# Altium PCB UD3.1.PcbDoc (part 2 of 2) (continued)
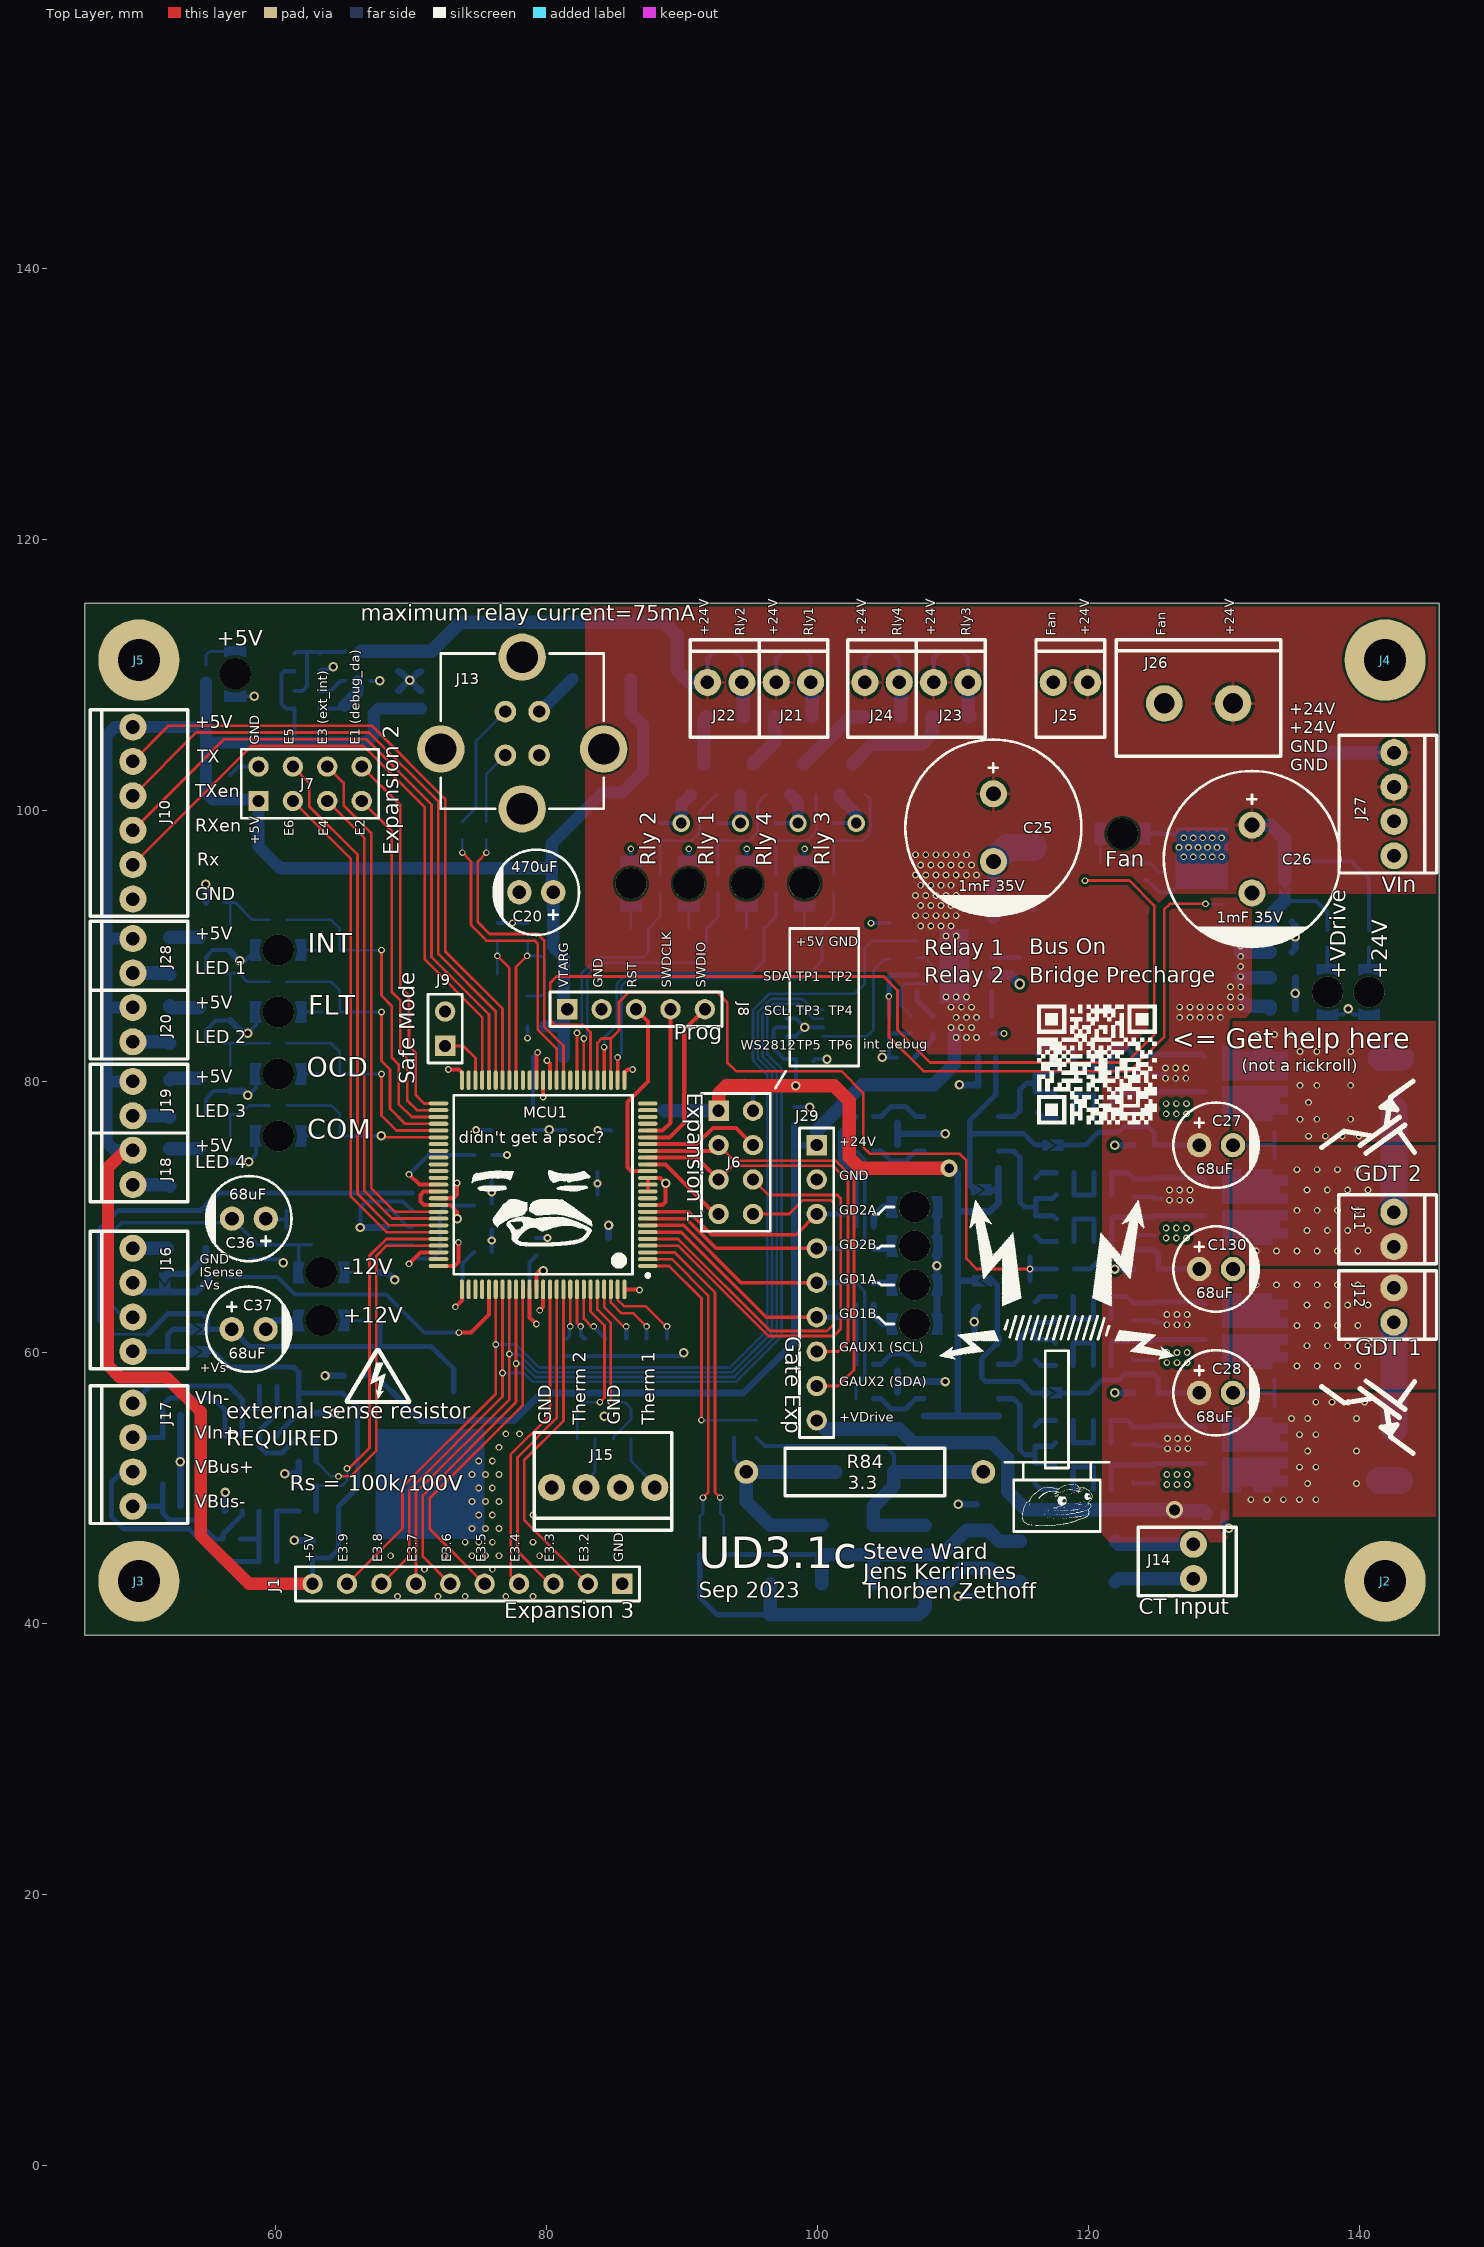
[diagram p0: Top Layer view]
## Nets (pads, with @x,y where several pads share a name; then routed paths per layer and width w, separated by ;. In a path a pad name is that pad's centre, name@x,y a point inside that pad or via, vN(x,y) a via of type N, cw(c..) or ccw(c..) an arc to the next point about the centre after c; other vN are vias at no path point) (continued)
NetC124_1: C124.1 R171.2 R173.2 R174.1 | length 4.8
  Bottom Layer w0.381: R173.2@118.887,54.991 R171.2@118.887,53.34 C124.1@120.381,53.34 R174.1@120.381,54.991
NetC124_2: C124.2 D70.2 Q16.4 R174.2 R178.1 | length 14.4
  Bottom Layer w0.381: R174.2@121.681,54.991 122.839,54.991 R178.1@123.317,54.513 124.768,54.513 D70.2@124.841,54.586 ; R174.2@121.681,54.991 C124.2@121.681,53.34 R174.2@121.681,54.991 ; D70.2@124.841,54.586 Q16.4@128.393,54.586 ; D70.2@124.841,54.586 Q16.4@128.393,54.586 ; Q16.4@128.393,54.586 Q16.4@128.623,54.356 Q16.4@128.393,54.586
NetC125_1: C125.1 R172.2 R175.1 R176.2 | length 4.8
  Bottom Layer w0.381: R176.2@118.887,64.135 R172.2@118.887,62.484 R175.1@120.381,62.484 C125.1@120.381,64.135
NetC125_2: C125.2 D71.2 Q17.4 R175.2 R177.1 | length 8.9
  Bottom Layer w0.381: R175.2@121.681,62.484 C125.2@121.681,64.135 122.839,64.135 R177.1@123.317,63.657 124.768,63.657 D71.2@124.841,63.73 128.393,63.73 Q17.4@128.623,63.5
NetC134_1: C134.1 Reg1.6 | length 2.2
  Bottom Layer w0.3: C134.1@63.245,108.854 64.053,108.854 64.786,109.587 Reg1.6@65.106,109.587
NetC134_2: C134.2 L3.1 Reg1.5 | length 4.2
  Bottom Layer w0.3: C134.2@63.245,107.554 64.882,107.554 L3.1@65.076,107.748
  Bottom Layer w0.9: L3.1@65.076,107.748 66.056,108.728 Reg1.5@66.056,109.587
NetC135_2: C135.2 R2.2 R6.1 Reg1.1 | length 7.4
  Bottom Layer w0.3: C135.2@61.409,108.854 61.991,108.854 62.327,109.19 62.327,111.723 ; R6.1@61.409,111.596 61.536,111.723 62.327,111.723 ; R2.2@63.245,111.596 63.372,111.723 65.044,111.723 Reg1.1@65.106,111.785 ; R2.2@63.245,111.723 62.327,111.723
NetD1_1: D1.1 R3.2 | length 1.6
  Bottom Layer w0.3: D1.1@140.716,88.264 R3.2@140.716,89.901
NetD2_1: D2.1 R4.2 | length 1.6
  Bottom Layer w0.3: D2.1@137.668,88.264 R4.2@137.668,89.901
NetD3_1: D3.1 R5.2 | length 1.4
  Bottom Layer w0.2: D3.1@65.023,62.357 R5.2@66.406,62.357
NetD4_1: D4.1 R7.2 | length 1.4
  Bottom Layer w0.2: D4.1@65.023,65.913 R7.2@66.406,65.913
NetD5_1: D5.1 R8.2 | length 3
  Bottom Layer w0.2: R8.2@54.864,110.759 54.864,111.505 55.118,111.759 D5.1@57.023,111.759
NetD34_2: D34.1 D35.1 D36.1 R84.1 R85.2 | length 26.9
  Bottom Layer w0.3: R85.2@95.504,53.706 96.124,53.086 105.02,53.086 105.655,52.451 D36.1@105.655,51.181
  Bottom Layer w1: D35.1@107.95,47.244 D34.1@104.14,47.244 104.14,48.641 105.655,50.156 D36.1@105.655,51.181 112.252,51.181 R84.1@112.255,51.184
NetD37_1: D37.2 J13.1 | length 3.5
  Bottom Layer w0.9: J13.1@79.462,107.315 79.511,107.315 D37.2@81.924,109.728
NetD43_1: D43.1 R101.2 | length 1.6
  Bottom Layer w0.2: R101.2@90.509,91.321 D43.1@90.509,92.965
NetD44_1: D44.1 R102.2 | length 1.2
  Bottom Layer w0.2: R102.2@86.233,91.321 86.233,92.565
NetD45_1: D45.1 R103.2 | length 1.7
  Bottom Layer w0.2: R103.2@99.041,91.321 99.041,92.946 D45.1@99.06,92.965
NetD46_1: D46.1 R104.2 | length 1.7
  Bottom Layer w0.2: R104.2@94.765,91.321 94.765,92.946 D46.1@94.784,92.965
NetD47_1: D47.1 R105.2 | length 2.3
  Bottom Layer w0.2: R105.2@120.885,96.142 120.885,97.548 121.036,97.699 121.036,98.199 120.936,98.299 D47.1@120.886,98.299
NetD48_1: D48.1 R106.2 | length 1.6
  Bottom Layer w0.2: D48.1@61.848,89.71 R106.2@63.443,89.71
NetD49_1: D49.1 R110.2 | length 1.6
  Bottom Layer w0.2: D49.1@61.848,85.138 R110.2@63.443,85.138
NetD50_1: D50.1 R120.2 | length 1.6
  Bottom Layer w0.2: D50.1@61.848,80.566 R120.2@63.443,80.566
NetD51_1: D51.1 R128.2 | length 1.6
  Bottom Layer w0.2: D51.1@61.848,75.994 R128.2@63.443,75.994
NetD52_1: D52.1 R131.2 | length 1.4
  Bottom Layer w0.5: R131.2@104.155,67.691 105.361,67.691 D52.1@105.53,67.86
NetD53_1: D53.1 R132.2 | length 2.4
  Bottom Layer w0.5: R132.2@104.155,69.342 104.155,70.051 104.843,70.739 D53.1@105.53,70.739
NetD56_1: D56.2 R139.1 | length 1.5
  Bottom Layer w0.381: D56.2@116.253,77.748 116.658,77.343 R139.1@117.635,77.343
NetD57_1: D57.2 R136.1 | length 1.7
  Bottom Layer w0.381: D57.2@116.126,68.604 116.531,68.199 R136.1@117.635,68.199
NetD58_2: D58.1 R148.1 | length 1.5
  Bottom Layer w0.381: D58.1@116.253,82.018 116.658,82.423 R148.1@117.635,82.423
NetD59_2: D59.1 R151.1 | length 1.7
  Bottom Layer w0.381: D59.1@116.126,72.874 116.531,73.279 R151.1@117.635,73.279
NetD62_1: D62.1 R156.2 | length 2.4
  Bottom Layer w0.5: R156.2@104.155,63.5 104.155,62.791 104.843,62.103 D62.1@105.53,62.103
NetD63_1: D63.1 R157.2 | length 1.4
  Bottom Layer w0.5: R157.2@104.155,65.151 105.361,65.151 D63.1@105.53,64.982
NetD66_1: D66.2 R164.1 | length 1.7
  Bottom Layer w0.381: D66.2@116.078,50.316 116.483,49.911 R164.1@117.587,49.911
NetD67_1: D67.2 R161.1 | length 1.7
  Bottom Layer w0.381: D67.2@116.078,59.46 116.483,59.055 R161.1@117.587,59.055
NetD68_2: D68.1 R173.1 | length 1.7
  Bottom Layer w0.381: D68.1@116.078,54.586 116.483,54.991 R173.1@117.587,54.991
NetD69_2: D69.1 R176.1 | length 1.7
  Bottom Layer w0.381: D69.1@116.078,63.73 116.483,64.135 R176.1@117.587,64.135
NetIC1_8: IC1.8 R10.1 | length 9.8
  Bottom Layer w0.2: IC1.8@100.41,83.353 103.673,83.353 104.14,83.82 104.14,88.232 104.949,89.041 R10.1@105.283,89.041
NetIC7_2: IC7.2 R138.2 R144.2 | length 4.3
  Bottom Layer w0.381: R144.2@104.155,74.879 104.699,74.879 105.453,74.125 105.918,74.125 106.51,74.125 107.264,74.879 IC7.2@107.867,74.879
NetIC7_4: IC7.4 R137.2 R143.2 | length 4.3
  Bottom Layer w0.381: R143.2@104.155,77.419 104.699,77.419 105.453,78.172 105.918,78.172 106.51,78.172 107.264,77.419 IC7.4@107.867,77.419
NetIC8_2: IC8.2 R163.2 R169.2 | length 4.3
  Bottom Layer w0.381: R169.2@104.155,56.591 104.699,56.591 105.453,55.837 R163.2@105.918,55.837 106.51,55.837 107.264,56.591 IC8.2@107.867,56.591
NetIC8_4: IC8.4 R162.2 R168.2 | length 4.3
  Bottom Layer w0.381: R168.2@104.155,59.131 104.699,59.131 105.453,59.884 105.918,59.884 106.51,59.884 107.264,59.131 IC8.4@107.867,59.131
NetJ8_3: J8.3 MCU1.15 | length 14.3
  Top Layer w0.3: J8.3@86.614,85.344 87.503,84.455 87.503,80.01 85.979,78.486 85.979,73.66 86.249,73.39 MCU1.15@87.481,73.39
NetJ8_4: J8.4 MCU1.21 | length 10.3
  Top Layer w0.3: MCU1.21@87.481,76.39 88.582,76.39 89.154,76.962 J8.4@89.154,85.344
NetJ8_5: J8.5 MCU1.20 | length 12.1
  Top Layer w0.3: MCU1.20@87.481,75.89 89.098,75.89 90.17,76.962 90.17,83.82 J8.5@91.694,85.344
NetJ13_2: J13.2 R95.2 | length 9.4
  Bottom Layer w0.2: R95.2@73.787,99.202 74.803,100.218 74.803,105.156 J13.2@76.962,107.315
NetJ13_3: J13.3 R94.2 | length 5.5
  Bottom Layer w0.2: R94.2@75.565,99.187 75.565,102.698 J13.3@76.962,104.095
NetJ16_1: J16.1 Jp10.1 Jp11.1 | length 7.5
  Bottom Layer w0.381: J16.1@49.467,60.08 49.476,60.071 52.045,60.071 ; Jp10.1@53.787,60.071 52.045,60.071 ; Jp11.1@53.787,61.722 52.426,61.722 52.045,61.341 52.045,60.071
NetJ16_3: J16.3 Jp16.2 R83.2 | length 6.4
  Bottom Layer w0.5: J16.3@49.467,65.16 50.148,64.479 Jp16.2@51.816,64.479 54.143,64.479 55.103,65.439 R83.2@55.103,65.564
NetJp16_1: Jp16.1 R82.2 | length 4.2
  Bottom Layer w0.5: Jp16.1@51.816,65.673 51.966,65.823 53.591,65.823 54.856,67.088 R82.2@54.856,67.7
NetMCU1_92: MCU1.92 R184.1 | length 3.8
  Top Layer w0.2: v3(81.756,61.933) MCU1.92@81.756,64.665
  Bottom Layer w0.3: R184.1@81.374,61.051 81.499,61.051 81.699,61.251 81.699,61.824 81.756,61.881 v3(81.756,61.933)
NetMCU1_93: MCU1.93 R183.1 | length 3.9
  Top Layer w0.2: MCU1.93@82.256,64.665 82.256,62.201 v3(82.525,61.933)
  Bottom Layer w0.3: v3(82.525,61.933) 82.554,61.903 82.554,61.251 82.754,61.051 R183.1@82.879,61.051
NetMCU1_94: MCU1.94 R182.1 | length 4.4
  Top Layer w0.2: MCU1.94@82.756,64.665 82.756,62.502 83.325,61.933 v3(83.49,61.933)
  Bottom Layer w0.3: v3(83.49,61.933) 83.526,61.896 R182.1@84.371,61.051
NetMCU1_97: MCU1.97 R181.1 | length 4.2
  Top Layer w0.2: MCU1.97@84.256,64.665 84.256,63.361 85.684,61.933 v3(85.889,61.933)
  Bottom Layer w0.3: R181.1@85.889,61.051 v3@85.889,61.73
NetMCU1_98: MCU1.98 R180.1 | length 5
  Top Layer w0.2: MCU1.98@84.756,64.665 84.756,63.682 85.547,62.89 86.437,62.89 v3(87.395,61.933)
  Bottom Layer w0.3: R180.1@87.395,61.051 v3@87.395,61.73
NetMCU1_99: MCU1.99 R179.1 | length 6.1
  Top Layer w0.2: MCU1.99@85.256,64.665 85.256,63.893 85.725,63.424 87.325,63.424 v3@88.9,61.849
  Bottom Layer w0.3: R179.1@88.9,61.051 88.9,61.849 v3(88.9,61.933)
NetQ5_D: Q5.3 R97.2 | length 2.2
  Bottom Layer w1: R97.2@52.188,90.665 54.351,90.665 Q5.3@54.356,90.66
NetQ5_G: Q5.1 R99.2 R100.2 | length 5.5
  Bottom Layer w0.2: R99.2@56.156,93.218 56.656,93.218 ; Q5.1@56.656,91.61 56.656,93.218 ; R100.2@59.548,91.948 58.293,91.948 57.023,93.218 56.656,93.218
NetQ6_G: Q6.4 R96.2 R98.2 | length 3.6
  Bottom Layer w0.2: R98.2@122.536,96.142 R96.2@124.187,96.142 124.574,96.142 125.262,95.454 Q6.4@125.857,95.454
NetQ7_D: Q7.3 R107.2 | length 2.2
  Bottom Layer w1: R107.2@52.188,85.585 52.318,85.455 Q7.3@54.356,85.455
NetQ7_G: Q7.1 R108.2 R109.2 | length 5.3
  Bottom Layer w0.2: R108.2@56.156,88.011 56.717,88.011 ; Q7.1@56.656,86.405 56.656,87.95 56.717,88.011 ; R109.2@59.548,87.376 57.912,87.376 57.277,88.011 56.717,88.011
NetQ8_D: Q8.3 R115.2 | length 2.2
  Bottom Layer w1: R115.2@52.188,80.124 52.313,80.249 Q8.3@54.356,80.249
NetQ8_G: Q8.1 R118.2 R119.2 | length 5
  Bottom Layer w0.2: R118.2@56.156,82.835 56.656,82.835 ; Q8.1@56.656,81.199 56.656,82.835 ; R119.2@59.548,82.835 56.656,82.835
NetQ9_D: Q9.3 R116.1 | length 8
  Bottom Layer w1: Q9.3@102.604,103.484 104.022,104.902 107.696,104.902 108.48,105.686 R116.1@108.48,106.934
NetQ9_G: Q9.1 R111.2 R113.2 | length 8.4
  Bottom Layer w0.2: R113.2@101.219,95.272 R111.2@101.219,97.783 103.323,97.783 103.886,98.346 103.886,100.852 Q9.1@103.554,101.184
NetQ10_D: Q10.3 R117.1 | length 5.9
  Bottom Layer w1: Q10.3@98.943,103.484 99.039,103.484 102.489,106.934 R117.1@103.4,106.934
NetQ10_G: Q10.1 R112.2 R114.2 | length 8.5
  Bottom Layer w0.2: R114.2@96.943,95.265 R112.2@96.943,97.783 99.252,97.783 99.893,98.424 Q10.1@99.893,101.169
NetQ11_D: Q11.3 R121.2 | length 2.2
  Bottom Layer w1: R121.2@52.188,75.044 Q11.3@54.356,75.044
NetQ11_G: Q11.1 R126.2 R127.2 | length 5.3
  Bottom Layer w0.2: R126.2@56.156,77.597 56.78,77.597 ; Q11.1@56.656,75.994 56.656,77.473 56.78,77.597 ; R127.2@59.548,78.232 58.039,78.232 57.404,77.597 56.78,77.597
NetQ12_D: Q12.3 R129.1 | length 4.1
  Bottom Layer w1: Q12.3@95.267,103.484 96.86,105.077 R129.1@96.86,106.934
NetQ12_G: Q12.1 R122.2 R124.2 | length 8.7
  Bottom Layer w0.2: R124.2@92.668,95.265 R122.2@92.668,97.783 94.977,97.783 95.584,98.391 95.584,100.551 Q12.1@96.217,101.184
NetQ13_D: Q13.3 R130.1 | length 3.5
  Bottom Layer w1: Q13.3@91.606,103.484 91.606,106.76 R130.1@91.78,106.934
NetQ13_G: Q13.1 R123.2 R125.2 | length 9
  Bottom Layer w0.2: R125.2@88.392,95.273 R123.2@88.392,97.783 90.701,97.783 91.309,98.391 91.309,99.937 Q13.1@92.556,101.184
NetR11_2: R11.2 Reg2.4 | length 1.8
  Bottom Layer w0.381: R11.2@112.86,84.851 Reg2.4@112.86,86.614
NetR12_2: R12.2 Reg2.5 | length 2.2
  Bottom Layer w0.381: Reg2.5@107.36,86.614 107.36,86.026 R12.2@108.535,84.851
Relay1: MCU1.32 R101.1 R124.1 | length 22.1
  Top Layer w0.2: MCU1.32@82.756,80.115 v3(82.756,83.185)
  Bottom Layer w0.2: v3(82.756,83.185) 83.007,83.436 83.007,87.833 83.947,88.773 91.004,88.773 91.809,89.578 R101.1@91.809,91.321 ; R101.1@91.809,91.313 92.668,92.172 R124.1@92.668,93.965
"Relay1 Out": D39.2 J21.2 R129.2 | length 5.1
  Bottom Layer w0.3: D39.2@99.036,111.76 99.086,111.76 99.505,111.341 J21.2@99.505,109.474
  Bottom Layer w1: J21.2@99.505,109.474 99.61,109.369 R129.2@99.61,106.934
Relay2: MCU1.33 R102.1 R125.1 | length 18.4
  Top Layer w0.2: MCU1.33@82.256,80.115 v3(82.256,83.599)
  Bottom Layer w0.2: v3(82.256,83.599) 82.601,83.944 82.601,88.002 83.779,89.179 87.134,89.179 87.533,89.578 R102.1@87.533,91.321 88.392,92.18 R125.1@88.392,93.973
"Relay2 Out": D40.2 J22.2 R130.2 | length 5.1
  Bottom Layer w0.3: D40.2@93.841,111.76 93.891,111.76 94.425,111.226 J22.2@94.425,109.474
  Bottom Layer w1: J22.2@94.425,109.474 94.53,109.369 R130.2@94.53,106.934
Relay3: MCU1.27 R103.1 R113.1 | length 28.1
  Top Layer w0.25: MCU1.27@85.256,80.115 v3@85.256,81.749
  Top Layer w0.381: v3@85.217,81.788 v3@85.256,81.749
  Bottom Layer w0.2: v3(85.256,81.788) 85.547,82.079 85.547,87.071 86.106,87.63 95.303,87.63 99.071,87.63 100.341,88.9 R103.1@100.341,91.321 ; R103.1@100.36,91.32 101.219,92.179 R113.1@101.219,93.972
"Relay3 Out": D41.2 J23.2 R116.2 | length 5.1
  Bottom Layer w0.3: D41.2@110.605,111.76 110.655,111.76 111.125,111.29 J23.2@111.125,109.474
  Bottom Layer w1: J23.2@111.125,109.474 111.125,107.039 R116.2@111.23,106.934
Relay4: MCU1.29 R104.1 R114.1 | length 24.5
  Top Layer w0.25: MCU1.29@84.256,80.115 v3(84.256,82.55)
  Bottom Layer w0.2: v3(84.256,82.55) 84.256,83.24 85.195,84.179 85.195,87.217 85.242,87.265 85.242,87.274 85.95,87.982 95.148,87.982 96.065,88.9 R104.1@96.065,91.321 ; R104.1@96.084,91.313 96.943,92.172 R114.1@96.943,93.965
"Relay4 Out": D42.2 J24.2 R117.2 | length 5.2
  Bottom Layer w0.3: D42.2@105.398,111.76 105.448,111.76 106.045,111.163 J24.2@106.045,109.474
  Bottom Layer w1: J24.2@106.045,109.474 106.15,109.369 R117.2@106.15,106.934
RX: J10.2 MCU1.47 | length 48.9
  Top Layer w0.2: J10.2@49.467,96.021 50.755,97.309 56.388,102.942 58.221,104.775 66.494,104.775 71.017,100.252 71.017,89.003 75.256,84.764 MCU1.47@75.256,80.115
RXen: J10.3 MCU1.46 | length 48.9
  Top Layer w0.2: J10.3@49.467,98.561 56.181,105.275 66.701,105.275 71.517,100.459 71.517,89.21 75.756,84.971 MCU1.46@75.756,80.115
therm1: C96.2 MCU1.96 R93.1 | length 13.2
  Top Layer w0.2: MCU1.96@83.756,64.665 83.756,63.176 84.756,62.176 v3(84.756,56.333)
  Bottom Layer w0.2: v3(84.756,56.333) 85.78,56.333 86.248,55.865 C96.2@86.248,55.29 86.248,55.069 84.948,53.769 R93.1@84.948,53.639
therm2: C89.2 MCU1.95 R89.1 | length 13
  Top Layer w0.2: MCU1.95@83.256,64.665 83.256,63.026 84.277,62.005 84.277,56.668 v3(83.942,56.333)
  Bottom Layer w0.2: R89.1@82.281,53.639 C89.2@82.281,55.29 82.281,55.865 82.749,56.333 v3(83.942,56.333)
TP2: J6.4 MCU1.19 | length 8.8
  Top Layer w0.3: MCU1.19@87.481,75.39 91.091,75.39 92.282,76.581 93.98,76.581 J6.4@95.25,75.311
TP4: J6.6 MCU1.4 | length 33.9
  Top Layer w0.2: MCU1.4@87.481,67.89 89.717,67.89 96.393,61.214 101.219,61.214 101.727,61.722 101.727,71.374 101.473,71.628 96.393,71.628 J6.6@95.25,72.771
TP5: J6.7 MCU1.16 | length 6.7
  Top Layer w0.3: MCU1.16@87.481,73.89 88.797,73.89 92.456,70.231 J6.7@92.71,70.231
TP6: J6.8 MCU1.5 | length 32.1
  Top Layer w0.2: MCU1.5@87.481,68.39 89.725,68.39 96.52,61.595 100.711,61.595 101.219,62.103 101.219,70.993 100.965,71.247 98.933,71.247 97.917,70.231 J6.8@95.25,70.231
TX: J10.5 MCU1.44 | length 48.9
  Top Layer w0.2: J10.5@49.467,103.641 52.101,106.275 67.115,106.275 72.517,100.873 72.517,89.624 76.756,85.385 MCU1.44@76.756,80.115
TXen: J10.4 MCU1.45 | length 48.9
  Top Layer w0.2: J10.4@49.467,101.101 54.141,105.775 66.908,105.775 72.017,100.666 72.017,89.417 76.256,85.178 MCU1.45@76.256,80.115
"USB D+": MCU1.35 R94.1 | length 22.7
  Top Layer w0.2: v3(75.565,96.901) 74.93,96.266 74.93,91.766 75.792,90.905 79.348,90.905 79.832,90.42 79.832,84.07 81.256,82.646 MCU1.35@81.256,80.115
  Bottom Layer w0.2: v3(75.565,96.901) R94.1@75.565,97.887
"USB D-": MCU1.36 R95.1 | length 22.8
  Top Layer w0.2: v3(73.787,96.901) 74.43,96.258 74.43,91.559 75.58,90.409 79.136,90.409 79.347,90.198 79.347,83.848 80.756,82.439 MCU1.36@80.756,80.115
  Bottom Layer w0.2: v3(73.787,96.901) R95.1@73.787,97.902
UVLO: C110.2 MCU1.28 MCU1.30 R154.1 R155.2 | length 61.9
  Top Layer w0.2: MCU1.30@83.756,80.115 83.756,82.867 84.074,83.185 84.756,83.185 ; MCU1.28@84.756,80.115 84.756,83.185 ; v3(115.697,66.167) 111.76,66.167 110.998,66.929 110.998,74.168 110.49,74.676 103.886,74.676 103.378,75.184 103.378,79.163 101.769,80.772 94.001,80.772 93.345,81.428 93.345,85.852 92.583,86.614 86.106,86.614 85.355,85.863 85.355,83.784 84.756,83.185
  Bottom Layer w0.381: C110.2@115.697,65.278 v3(115.697,66.167) ; R154.1@115.697,67.056 v3(115.697,66.167) ; R155.2@117.635,66.167 v3(115.697,66.167)
"VSense A": C86.2 MCU1.72 R87.2 | length 26.8
  Top Layer w0.2: v3(64.643,50.864) 65.541,50.864 67.437,52.76 67.437,67.146 68.181,67.89 MCU1.72@72.031,67.89
  Bottom Layer w0.2: C86.2@63.007,51.943 64.086,50.864 v3(64.643,50.864)
  Bottom Layer w0.381: C86.2@63.007,51.943 R87.2@63.007,53.813
"VSense B": C93.2 MCU1.71 R91.2 | length 27.3
  Top Layer w0.2: v3(65.278,51.435) 65.405,51.435 66.937,52.967 66.937,67.146 68.181,68.39 MCU1.71@72.031,68.39
  Bottom Layer w0.2: C93.2@63.007,50.165 64.897,50.165 65.278,50.546 v3(65.278,51.435)
  Bottom Layer w0.381: R91.2@63.007,48.283 C93.2@63.007,50.165
XI: C16.1 MCU1.43 X1.4 | length 12
  Top Layer w0.2: v3(76.37,89.281) 77.256,88.395 MCU1.43@77.256,80.115
  Bottom Layer w0.2: X1.4@76.37,87.922 v3(76.37,89.281) C16.1@76.37,90.409
XO: C18.1 MCU1.42 X1.2 | length 15.9
  Top Layer w0.2: MCU1.42@77.756,80.115 77.756,88.467 v3(78.57,89.281)
  Bottom Layer w0.2: X1.2@78.57,86.322 79.629,86.322 79.883,86.576 79.883,89.027 79.629,89.281 v3(78.57,89.281) 78.613,89.324 C18.1@78.613,90.409
ZCDA: C81.1 MCU1.3 R48.1 | length 24.5
  Top Layer w0.2: MCU1.3@87.481,67.39 89.472,67.39 92.44,64.422 92.44,49.673 v3(92.828,49.285)
  Bottom Layer w0.2: v3(92.828,49.285) 92.828,48.157 C81.1@92.852,48.133 93.091,47.894 R48.1@93.091,46.37
ZCDB: C81.2 MCU1.2 R47.1 | length 23.7
  Top Layer w0.2: MCU1.2@87.481,66.89 89.265,66.89 91.94,64.215 91.94,49.673 v3(91.552,49.285)
  Bottom Layer w0.2: R47.1@91.313,46.37 91.313,47.894 C81.2@91.552,48.133 v3(91.552,49.285)
"⎐ Fan Out": D38.2 J25.1 J26.1 Q6.5 Q6.6 Q6.7 Q6.8
"⎐ LED1 Out": J28.1 R97.1 | length 2.8
  Bottom Layer w1: J28.1@49.467,88.02 52.083,88.02 R97.1@52.188,87.915
"⎐ LED2 Out": J20.1 R107.1 | length 2.8
  Bottom Layer w1: J20.1@49.467,82.94 52.083,82.94 R107.1@52.188,82.835
"⎐ LED3 Out": J19.1 R115.1 | length 2.8
  Bottom Layer w1: J19.1@49.467,77.479 52.083,77.479 R115.1@52.188,77.374
"⎐ LED4 Out": J18.1 R121.1 | length 2.8
  Bottom Layer w1: J18.1@49.467,72.399 52.083,72.399 R121.1@52.188,72.294
pads on no net: D1.MH1 D2.MH1 D3.MH1 D4.MH1 D5.MH1 D43.MH1 D44.MH1 D45.MH1 D46.MH1 D47.MH1 D48.MH1 D49.MH1 D50.MH1 D51.MH1 D52.MH1 D53.MH1 D62.MH1 D63.MH1 MCU1.11 MCU1.22 MCU1.23 MCU1.24 MCU1.25 MCU1.34 MCU1.40 MCU1.41 MCU1.49 MCU1.57 MCU1.58 MCU1.59 MCU1.60 MCU1.61 MCU1.62 MCU1.74 MCU1.77 MCU1.78 MCU1.79 U1.6 U1.7 X1.1 X1.3

## Polygon pours and split planes (outlines as drawn)
+5V on Bottom Layer "NONET_L01_P-001" (solid, pour order 0): 89.956,82.59 69.556,82.59 69.556,62.19 89.956,62.19
+24V on Bottom Layer "NONET_L01_P-001" (solid, remove dead copper, pour order 4): 124.432,104.394 103.378,104.394 103.378,82.03 112.962,82.03 113.495,82.563 113.495,93.934 114.404,94.842 124.285,94.842 124.432,94.989
NetC116_2 on Bottom Layer "NONET_L01_P-001" (solid, pour order 12): 130.683,57.023 130.683,66.167 145.923,66.167 145.923,57.023
NetC115_2 on Bottom Layer "NONET_L01_P-001" (solid, pour order 14): 130.683,57.023 130.683,47.879 145.923,47.879 145.923,57.023
NetC99_2 on Bottom Layer "NONET_L01_P-001" (solid, pour order 16): 130.683,75.311 130.683,84.455 145.923,84.455 145.923,75.311
NetC100_2 on Bottom Layer "NONET_L01_P-001" (solid, pour order 15): 130.683,75.311 130.683,66.167 145.923,66.167 145.923,75.311
+VDrive on Bottom Layer "NONET_L01_P-001" (solid, pour order 51): 130.683,61.595 125.345,61.595 125.345,63.5 130.683,63.5
+VDrive on Bottom Layer "NONET_L01_P-001" (solid, pour order 50): 130.731,70.739 125.393,70.739 125.393,72.656 130.731,72.656
+VDrive on Bottom Layer "NONET_L01_P-001" (solid, pour order 49): 130.731,79.883 125.393,79.883 125.393,81.788 130.731,81.788
+VDrive on Bottom Layer "NONET_L01_P-001" (solid, pour order 41): 130.683,52.451 125.345,52.451 125.345,54.356 130.683,54.356
GND on Bottom Layer "NONET_L01_P-001" (solid, pour order 48): 130.683,61.366 125.129,61.366 124.944,61.181 124.944,58.826 130.683,58.826
GND on Bottom Layer "NONET_L01_P-001" (solid, pour order 46): 130.683,70.51 125.129,70.51 124.944,70.325 124.944,67.97 130.683,67.97
GND on Bottom Layer "NONET_L01_P-001" (solid, pour order 44): 130.683,79.654 125.129,79.654 124.944,79.469 124.944,77.114 130.683,77.114
GND on Bottom Layer "NONET_L01_P-001" (solid, pour order 42): 130.683,52.222 125.129,52.222 124.944,52.037 124.944,49.682 130.683,49.682
NetC33_1 on Bottom Layer "NONET_L01_P-001" (solid, pour order 1): 114.597,94.559 114.182,94.145 114.182,91.611 113.84,91.269 112.083,91.269 111.76,90.946 111.76,86.526 112.432,85.854 120.525,85.854 121.412,86.741 121.412,92.752 121.036,93.128 118.581,93.128 118.237,93.472 118.237,94.178 117.856,94.559
"⎐ Fan Out" on Bottom Layer "NONET_L01_P-001" (solid, pour order 2): 112.426,112.245 112.426,106.381 119.135,99.672 136.121,99.672 137.278,100.829 137.278,109.864 133.754,113.388 113.569,113.388
GND on Bottom Layer "NONET_L01_P-001" (solid, pour order 5): 67.056,54.61 66.548,54.102 66.548,42.037 67.056,41.529 90.424,41.529 90.805,41.91 90.805,54.102 90.297,54.61
+VDrive on Bottom Layer "NONET_L01_P-001" (solid, pour order 11): 131.953,90.424 131.191,91.186 126.238,91.186 125.262,90.21 125.262,85.05 125.984,84.328 131.228,84.328 131.953,85.053
+24V on Top Layer "NONET_L01_P-001" (solid, remove dead copper, pour order 3): 145.911,115.325 83.575,115.325 82.855,114.605 82.855,88.595 89.42,82.03 122.522,82.03 124.439,83.947 124.439,92.403 125.889,93.853 145.923,93.853
+VDrive on Top Layer "NONET_L01_P-001" (solid, pour order 35): 132.08,93.933 132.08,85.18 130.683,83.783 130.683,46.669 130.012,45.999 121.585,45.999 121.031,46.553 121.031,91.546 123.418,93.933 132.207,93.933
NetC99_2 on Top Layer "NONET_L01_P-001" (solid, pour order 20): 130.683,75.311 130.683,84.455 145.923,84.455 145.923,75.311
NetC100_2 on Top Layer "NONET_L01_P-001" (solid, pour order 19): 130.683,75.311 130.683,66.167 145.923,66.167 145.923,75.311
NetC116_2 on Top Layer "NONET_L01_P-001" (solid, pour order 18): 130.683,66.167 130.683,57.023 145.923,57.023 145.923,66.167
NetC115_2 on Top Layer "NONET_L01_P-001" (solid, pour order 17): 130.683,57.023 130.683,47.879 145.923,47.879 145.923,57.023
GND on Layer 2 (split plane): 145.401,39.635 46.421,39.635 46.421,114.815 145.401,114.815
GND on Layer 1 (split plane): 145.401,39.635 46.421,39.635 46.421,114.815 145.401,114.815

## Other copper
Bottom Layer:
  rectangle net GND: 126.422,94.234 130.302,98.78
  rectangle net GND: 67.392,46.228 75.438,54.356
  rectangle net +24V: 109.01,85.769 111.21,91.269

## Silkscreen, mask and mechanical layers (free items; w line width, h text height)
Top Overlay:
  drawing of 142 lines, arcs and shapes, not listed
  text "maximum relay current=75mA" at 66.289,113.631 h2
  text "+24V" at 92.249,112.923 h1.2 r90
  text "Rly2" at 94.886,112.923 h1.2 r90
  text "+24V" at 97.329,112.923 h1.2 r90
  text "Rly1" at 99.966,112.923 h1.2 r90
  text "+24V" at 103.869,112.923 h1.2 r90
  text "Rly4" at 106.506,112.923 h1.2 r90
  text "+24V" at 108.949,112.923 h1.2 r90
  text "Rly3" at 111.586,112.923 h1.2 r90
  text "Fan" at 117.873,112.923 h1.2 r90
  text "+24V" at 120.316,112.923 h1.2 r90
  text "Fan" at 125.965,112.923 h1.2 r90
  text "+24V" at 131.047,112.923 h1.2 r90
  text "+5V" at 55.65,111.776 h2
  text "+24V" at 134.826,106.784 h1.5
  text "+5V" at 54.083,105.752 h1.6
  text "+24V" at 134.826,105.418 h1.5
  text "GND" at 59.058,104.858 h1.2 r90
  text "E5" at 61.6,104.858 h1.2 r90
  text "E3 (ext_int)" at 64.086,104.858 h1.2 r90
  text "E1 (debug_da)" at 66.48,104.858 h1.2 r90
  text "GND" at 134.921,104.03 h1.5
  text "TX" at 54.224,103.223 h1.6
  text "GND" at 134.921,102.643 h1.5
  text "TXen" at 54.083,100.678 h1.6
  text "RXen" at 54.083,98.134 h1.6
  text "E2" at 66.836,98.143 h1.2 r90
  text "E6" at 61.598,98.126 h1.2 r90
  text "E4" at 64.15,98.11 h1.2 r90
  text "+5V" at 59.06,97.473 h1.2 r90
  text "Rly 2" at 88.482,95.934 h2 r90
  text "Rly 1" at 92.758,95.932 h2 r90
  text "Rly 3" at 101.309,95.933 h2 r90
  text "Rly 4" at 97.034,95.907 h2 r90
  text "Rx" at 54.23,95.605 h1.6
  text "Fan" at 121.264,95.473 h2
  text "GND" at 54.083,93.046 h1.6
  text "+5V" at 54.083,90.131 h1.6
  text "+5V" at 98.404,89.721 h1.2
  text "GND" at 100.835,89.723 h1.2
  text "Bus On" at 115.627,89.006 h2
  text "LED 1" at 54.083,87.592 h1.6
  text "+VDrive" at 139.427,87.571 h2 r90
  text "+24V" at 142.494,87.571 h2 r90
  text "SDA" at 96.001,87.183 h1.2
  text "TP1" at 98.455,87.171 h1.2
  text "TP2" at 100.835,87.171 h1.2
  text "VTARG" at 81.861,86.942 h1.2 r90
  text "GND" at 84.401,86.942 h1.2 r90
  text "RST" at 86.941,86.942 h1.2 r90
  text "SWDCLK" at 89.481,86.942 h1.2 r90
  text "SWDIO" at 92.021,86.942 h1.2 r90
  text "Relay 1 / Relay 2" at 107.898,86.909 h2
  text "Bridge Precharge" at 115.627,86.909 h2
  text "+5V" at 54.083,85.045 h1.6
  text "SCL" at 96.063,84.643 h1.2
  text "TP3" at 98.456,84.641 h1.2
  text "TP4" at 100.835,84.636 h1.2
  text "LED 2" at 54.083,82.497 h1.6
  text "int_debug" at 103.375,82.171 h1.2
  text "WS2812" at 94.332,82.103 h1.2
  text "TP5" at 98.462,82.101 h1.2
  text "TP6" at 100.835,82.102 h1.2
  text "<= Get help here" at 126.213,81.998 h2.5
  text "(not a rickroll)" at 131.343,80.476 h1.5
  text "+5V" at 54.083,79.59 h1.6
  text "LED 3" at 54.083,77.043 h1.6
  text "didn't get a psoc?" at 73.517,75.142 h1.5
  text "+24V" at 101.634,74.979 h1.2
  text "+5V" at 54.083,74.51 h1.6
  text "LED 4" at 54.083,73.279 h1.6
  text "GND" at 101.634,72.444 h1.2
  text "GD2A" at 101.634,69.904 h1.2
  text "GD2B" at 101.634,67.364 h1.2
  text "GND" at 54.404,66.294 h1.2
  text "-12V" at 65.012,65.36 h2
  text "ISense" at 54.404,65.331 h1.2
  text "GD1A" at 101.634,64.824 h1.2
  text "-Vs" at 54.404,64.389 h1.2
  text "GD1B" at 101.634,62.284 h1.2
  text "+12V" at 65.012,61.804 h2
  text "GAUX1 (SCL)" at 101.634,59.803 h1.2
  text "+Vs" at 54.404,58.293 h1.2
  text "GAUX2 (SDA)" at 101.634,57.263 h1.2
  text "VIn-" at 54.082,55.834 h1.6
  text "GND" at 80.698,54.654 h1.6 r90
  text "Therm 2" at 83.238,54.654 h1.6 r90
  text "GND" at 85.767,54.654 h1.6 r90
  text "Therm 1" at 88.339,54.654 h1.6 r90
  text "+VDrive" at 101.634,54.633 h1.2
  text "VIn+" at 54.082,53.307 h1.6
  text "external sense resistor  / REQUIRED" at 56.356,52.705 h2
  text "VBus+" at 54.082,50.765 h1.6
  text "Rs = 100k/100V" at 61.056,49.403 h2
  text "VBus-" at 54.082,48.222 h1.6
  text "+5V" at 63.06,44.524 h1.2 r90
  text "E3.9" at 65.601,44.524 h1.2 r90
  text "E3.8" at 68.141,44.524 h1.2 r90
  text "E3.7" at 70.682,44.524 h1.2 r90
  text "E3.6" at 73.222,44.524 h1.2 r90
  text "E3.5" at 75.763,44.524 h1.2 r90
  text "E3.4" at 78.303,44.524 h1.2 r90
  text "E3.3" at 80.844,44.524 h1.2 r90
  text "E3.2" at 83.385,44.524 h1.2 r90
  text "GND" at 85.925,44.524 h1.2 r90
  text "Steve Ward" at 103.396,44.342 h2
  text "UD3.1c" at 91.226,43.304 h4
  text "Jens Kerrinnes" at 103.396,42.873 h2
  text "Sep 2023" at 91.231,41.505 h2
  text "Thorben Zethoff" at 103.396,41.421 h2
Bottom Overlay:
  drawing of 10 lines, arcs and shapes, not listed
  text "©Sep 2023" at 129.667,104.648 h1.75
  text "so routed" at 73.303,101.775 h1.8 r27
  text "-Elecronics.de" at 119.6,98.933 h1.75
  text "much tight" at 79.646,96.195 h1.8 r21
  text "VDrive = 24V  / (no reg)" at 141.227,94.945 h1.8
  text "such layout!" at 63.525,94.907 h1.8 r321
  text "GD2 / +VDrv" at 122.463,74.218 h1.8
  text "GD2 / +5V" at 112.547,71.359 h1.8 r90
  text "GD1 / +5V" at 112.547,68.413 h1.8 r90
  text "Shunt- / EN" at 57.15,62.838 h1.7
  text "+12V" at 54.687,62.494 h1.8
  text "+Vs sel" at 62.13,59.385 h1.8
  text "+5V" at 56.215,58.166 h1.8
  text "VIBs:" at 95.275,57.55 h2.5
  text "0" at 81.869,57.525 h2.5
  text "3" at 86.316,57.525 h2.5
  text "5" at 89.315,57.525 h2.5
  text "1" at 83.328,57.506 h2.5
  text "2" at 84.833,57.506 h2.5
  text "4" at 87.932,57.506 h2.5
  text "GD1 / +VDrv" at 122.463,55.93 h1.8
Board Shape:
  lines w0.3: 45.911,39.125 45.911,115.325 ; 45.911,39.125 145.911,39.125 145.911,115.325 45.911,115.325 ; 45.911,39.125 45.911,115.325

## Text inside footprints (layer, text, board x,y; h text height)
D1: Bottom Overlay "+" at 139.751,88.57 h0.89 r90
D2: Bottom Overlay "+" at 136.703,88.57 h0.89 r90
D3: Bottom Overlay "+" at 65.329,63.322 h0.89
D4: Bottom Overlay "+" at 65.329,66.878 h0.89
D5: Bottom Overlay "+" at 56.058,112.065 h0.89 r90
D43: Bottom Overlay "+" at 91.474,92.659 h0.89 r270
D44: Bottom Overlay "+" at 87.198,92.659 h0.89 r270
D45: Bottom Overlay "+" at 100.025,92.659 h0.89 r270
D46: Bottom Overlay "+" at 95.75,92.659 h0.89 r270
D47: Bottom Overlay "+" at 120.58,97.334 h0.89 r180
D48: Bottom Overlay "+" at 62.154,90.675 h0.89
D49: Bottom Overlay "+" at 62.154,86.103 h0.89
D50: Bottom Overlay "+" at 62.154,81.531 h0.89
D51: Bottom Overlay "+" at 62.154,76.959 h0.89
D52: Bottom Overlay "+" at 105.224,66.895 h0.89 r180
D53: Bottom Overlay "+" at 105.224,69.774 h0.89 r180
D62: Bottom Overlay "+" at 105.224,61.138 h0.89 r180
D63: Bottom Overlay "+" at 105.224,64.016 h0.89 r180